# Allegro board OPT8241-CDK-EVM SB REV2P0V1.brd (continued)
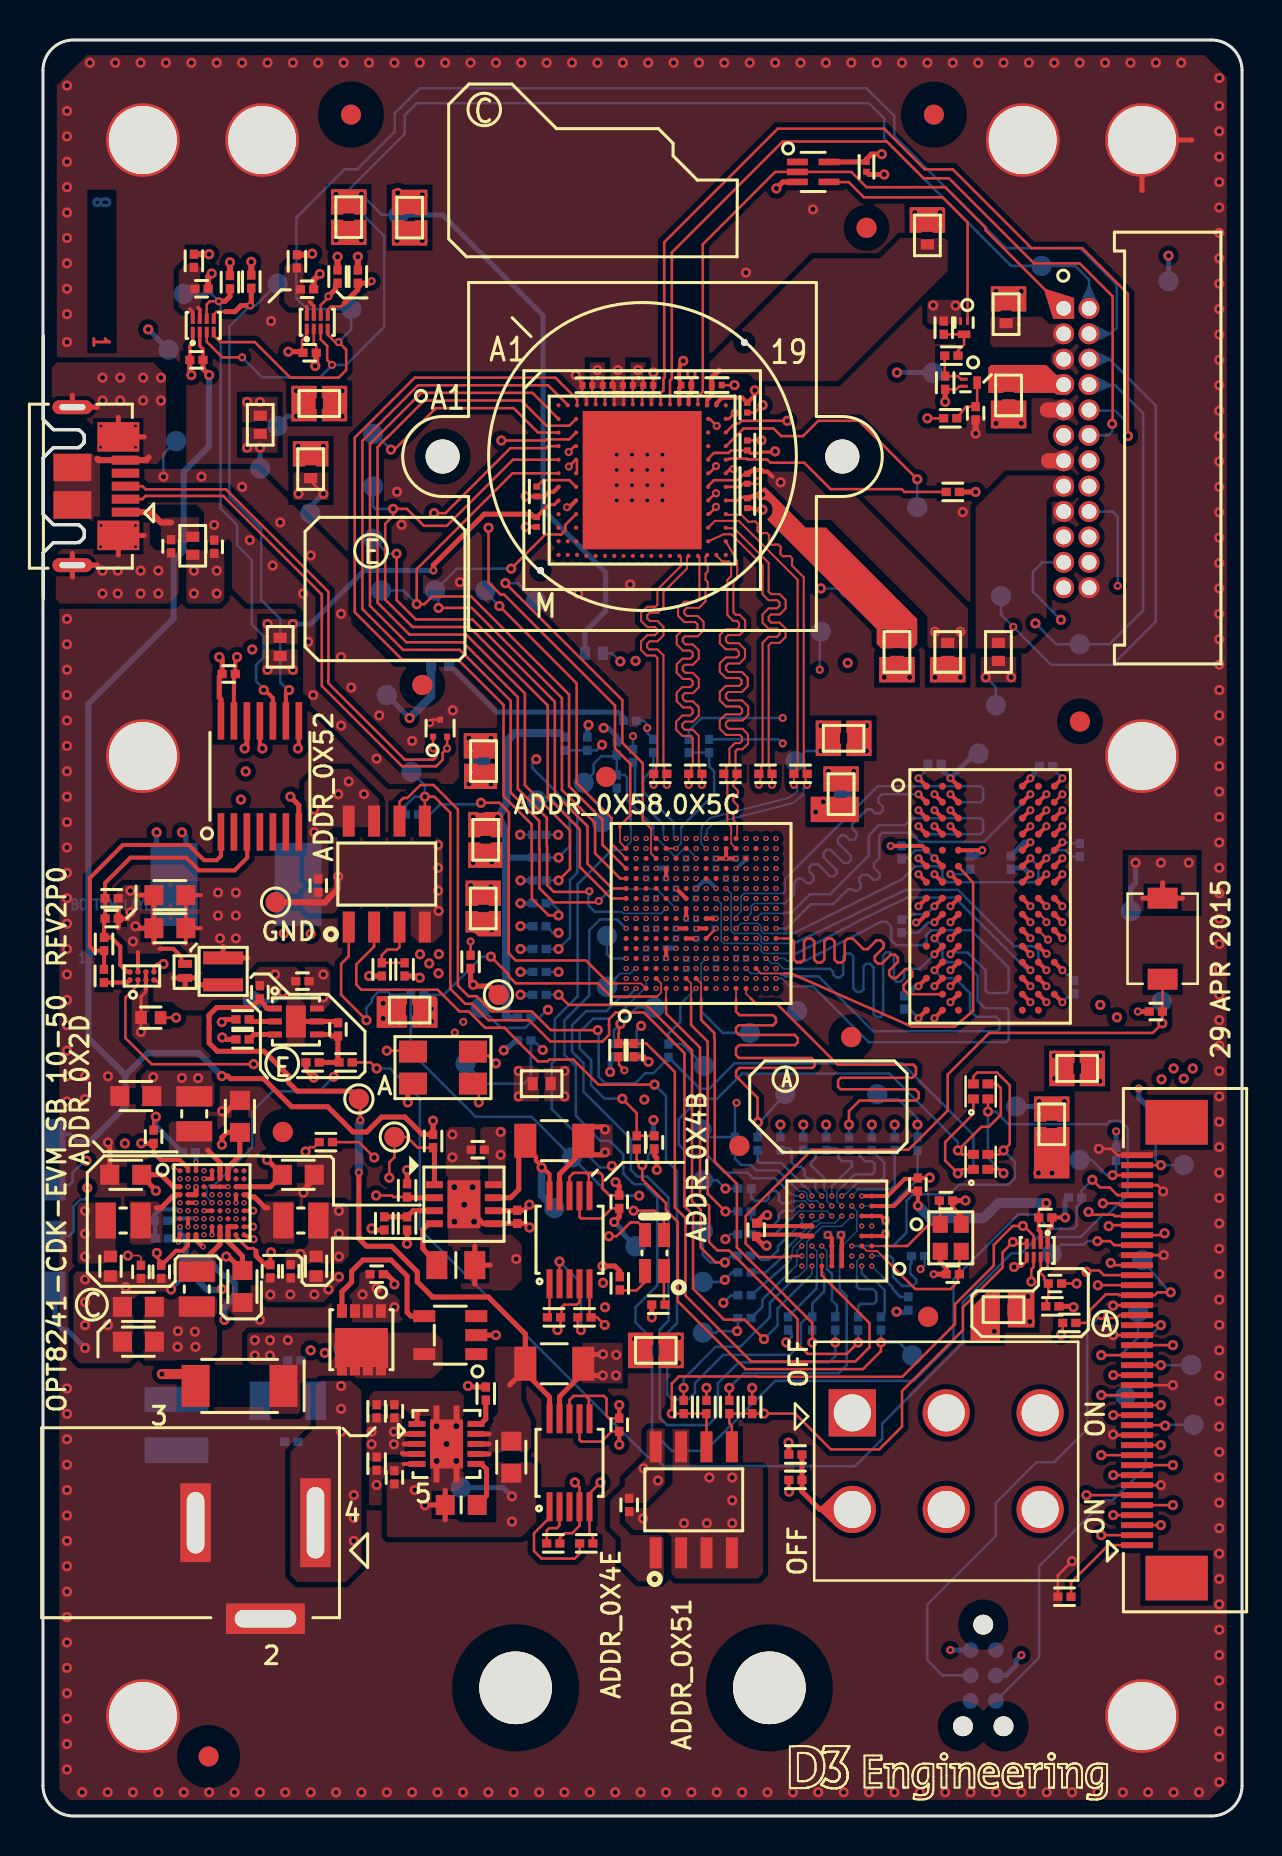
[diagram p0: board, top side]
## Nets (continued)
Pads without a net: J6 1 6; SW2 3 6; U3 A1 A19 C17 D17 J1 K1 K3 L1 L3 M1 M2 M3 M4 M5 M6 M7 M8 M9 M10 M11 M12 M13 M19; U4 4; U7 A2 A8 E2 E8 L1 R3 R7 R8; U8 A5 A6 B4 B5 B6 B7 B10 B11 B12 B13 C3 C6 C11 C14 D3 D5 D6 D11 D12 D15 D16 E6 E7 E8 E10 E11 F3 F8 F14 G1 G11 G15 J1 J12 J13 J14 K12 L13 L16 M6 N14 P15; U11 A8 A9 B8 B9 C4 D4 F6 G7; U14 3; U17 3; U19 1 3; U21 2 4 5 6; U24 1

## Via types
v1: diameter 0.508, hole 0.254, TOP to BOTTOM, 718 vias
v2: diameter 0.406, hole 0.203, TOP to BOTTOM, 145 vias
v3: diameter 0.254, hole 0.152, TOP to BOTTOM, 227 vias
v4: diameter 0.254, hole 0.153, TOP to BOTTOM, 35 vias
v5: diameter 0.406, hole 0.204, TOP to BOTTOM, 4 vias
v6: diameter 0.305, hole 0.153, TOP to BOTTOM, 8 vias
v7: diameter 0.61, hole 0.305, TOP to BOTTOM, 10 vias

## Routing (per net, layer and track width the routed paths; a pad name or vN(x,y) marks a point on that pad's centre or on a via; arc(x,y) is an arc through that point)
GND: length 158.1
  TOP w0.127: U3.A7 28.59,71.46 C5.2 28.5,71.92 ; J2.25 53.58,25.55 v1(53.55,25.52) ; J2.37 55.77,31.55 56.03,31.29 56.03,31.25 v1(56.06,31.23) ; J2.40 53.77,33.05 53.45,33.36 v1(52.84,33.36) ; v1(4.9,39.21) C20.2 ; v1(26.66,72.05) 26.66,72 26.99,71.66 C1.2 26.98,71.54 26.98,71.16 27.12,71.02 27.12,70.98 27.19,70.91 U3.A4 ; 29.02,71.92 C2.2 29.02,71.11 29.05,71.08 U3.A8 ; v1(51.49,12.74) 50.78,12.03 R46.2 ; J2.17 v1(56.54,21.55) ; J2.30 v1(56.08,28.05) ; J2.12 53.61,19.05 53.58,19.08 v1(53.55,19.08) ; v1(30.55,72.18) 30.53,72.17 C6.2 30.54,71.54 30.54,71.04 30.45,70.94 U3.A11 ; J2.22 v1(53.56,24.05) ; J2.7 v1(55.94,16.55)
  TOP w0.152: C20.2 4.9,40.97 5.15,41.22
  TOP w0.203: v3(8.06,31.87) U11.B5 U11.A5 ; U11.H5 v3(8.46,29.07) ; C19.1 7.15,45.11 ; C19.1 7.9,44.4 ; C19.1 7.15,43.63 ; 7.15,45.28 C16.1 7.9,46.05 ; 5.15,41.33 U9.C1 U9.C2
  TOP w0.254: C31.2 13.58,31.85 13.23,31.5 13.23,31.48 13.03,31.29 v1(13.03,31.17) ; U4.10 1.47,63.14 ; U4.10 1.47,61.96 ; U4.10 2.71,62.55 ; 2.71,70.45 U4.7 1.47,71.04 ; v1(8.97,35.24) 9.2,35.24 9.4,35.44 9.42,35.44 9.77,35.78 C26.2 ; C30.2 3.34,33.47 3.26,33.55 v1(3.26,33.68) ; 3.77,69.94 U4.6 5.06,68.96 ; 55.01,81.29 55,81.29 MH2.1 57.47,83.81 57.47,83.81 ; 5.06,64.04 U4.11 3.77,63.06 ; 10.26,42.91 L1.2 9.02,43.48
  TOP w0.305: C7.2 v1(46.67,69.13) ; 2.73,67.86 2.79,67.8 U4.5 5.15,67.8 5.29,67.94
  TOP w0.762: J1.9 50.26,70.31 ; J1.13 50.32,67.77
  PWR1 w0.254: 1.47,61.96 U4.10 ; U4.10 2.71,62.55 ; U4.10 1.47,63.14 ; 2.71,70.45 U4.7 1.47,71.04
  PWR2 w0.254: 1.47,61.96 U4.10 ; U4.10 2.71,62.55 ; U4.10 1.47,63.14 ; 1.47,71.04 U4.7 2.71,70.45
  SIG2 w0.254: 52.51,5 MH6.1 54.92,7.41 ; 5.01,7.28 MH5.1 7.3,5
  GND2 w0.127: 8.07,52.99 8.06,53
  GND2 w0.254: 1.47,61.96 U4.10 2.71,62.55 ; 1.47,71.04 U4.7 2.71,70.45 ; 50.32,67.77 J1.13 ; J1.17 50.26,65.23 50.22,65.19 ; 50.22,72.81 50.26,72.85 J1.5 ; 50.32,70.31 J1.9
  GND2 w0.381: MH2.1 57.49,83.81 57.49,83.81 ; MH2.1 55,81.37 55,81.37 ; MH2.1 55,86.09 ; MH2.1 52.58,83.81 ; MH6.1 57.3,5 57.31,5.01 ; MH6.1 52.64,5 ; MH6.1 55,7.32 54.99,7.33 ; MH6.1 55,2.68 54.99,2.67 ; MH3.1 2.59,53 2.59,53 ; MH3.1 5,55.3 4.92,55.37 ; MH3.1 5,50.45 4.99,50.44 ; MH3.1 8.06,53 ; MH8.1 49.02,86.09 ; MH8.1 51.38,83.81 51.38,83.81 ; MH8.1 49.02,81.76 49.02,81.52 49.01,81.51 ; MH8.1 46.7,83.81 46.68,83.83 ; MH4.1 57.35,53 57.36,53.01 ; MH4.1 55,55.41 54.99,55.42 ; MH4.1 52.69,53 52.67,52.98 ; MH4.1 55,50.18 ; 7.33,83.83 7.31,83.81 MH1.1 ; 13.26,83.79 13.24,83.81 MH7.1 ; 2.64,5.02 2.66,5 MH5.1 ; 2.7,83.8 2.7,83.81 MH1.1 ; 5.01,2.62 5,2.64 MH5.1 ; MH5.1 5,7.65 ; MH5.1 7.3,5 ; 5,86.17 5,86.17 MH1.1 ; MH1.1 5,81.46 4.98,81.44 ; 10.96,86.1 10.97,86.09 MH7.1 ; 10.96,81.46 10.97,81.46 MH7.1 ; 8.63,83.81 MH7.1
  BOTTOM w0.254: 2.71,70.45 U4.7 1.47,71.04 ; 1.47,61.96 U4.10 ; U4.10 1.47,63.14 ; U4.10 2.71,62.55
  vias: v1(1.2,86.53) v1(1.2,85.26) v1(1.2,83.99) v1(1.2,82.72) v1(1.2,81.45) v1(1.2,80.18) v1(1.2,78.91) v1(1.2,77.64) v1(1.2,76.37) v1(1.2,75.1) v1(1.2,73.7) v1(1.2,59.86) v1(1.2,58.59) v1(1.2,57.32) v1(1.2,56.05) v1(1.2,54.78) v1(1.2,53.51) v1(1.2,52.24) v1(1.2,50.97) v1(1.2,49.7) v1(1.2,48.43) v1(1.2,47.16) v1(1.2,45.89) v1(1.2,44.62) v1(1.2,43.35) v1(1.2,42.08) v1(1.2,40.81) v1(1.2,39.54) v1(1.2,38.27) v1(1.2,37) v1(1.2,35.73) v1(1.2,21.38) v1(1.2,20.11) v1(1.2,18.84) v1(1.2,17.57) v1(1.2,16.3) v1(1.2,15.03) v1(1.2,13.76) v1(1.2,12.49) v1(1.2,11.22) v1(1.2,9.95) v1(1.2,8.68) v1(1.2,7.41) v1(1.2,6.14) v1(1.2,4.87) v1(1.2,3.6) v1(1.2,2.33) v1(1.96,1.19) v1(2.11,36.99) v1(2.11,35.85) v1(2.35,87.67) v1(2.98,71.93) v1(2.98,70.78) v1(2.98,62.27) v1(2.98,61.13) v1(3.25,36.99) v1(3.23,1.19) v1(3.62,87.67) v1(3.74,62.27) v1(3.74,61.13) v1(3.87,71.93) v1(3.87,70.78) v1(4.5,1.19) v1(4.89,87.67) v1(4.89,62.27) v1(4.89,61.13) v1(5.01,71.93) v1(5.01,70.78) v1(5.77,62.27) v1(5.77,61.13) v1(5.77,1.19) v1(5.9,71.93) v1(5.9,70.78) v1(6.16,87.67) v1(7.04,1.19) v1(7.43,87.67) v1(8.31,1.19) v1(8.7,87.67) v1(8.76,46.17) v1(8.76,45.03) v1(8.86,43.89) v1(9.58,1.19) v1(9.65,46.17) v1(9.65,45.03) v1(9.65,43.89) v1(9.97,87.67) v1(10.85,24.81) v1(10.85,1.19) v1(11.24,87.67) v1(11.41,74.75) v1(12.12,1.19) v1(12.51,87.67) v1(13.39,1.19) v1(13.78,87.67) v1(14.66,1.19) v1(15.05,87.67) v1(15.93,1.19) v1(16.32,87.67) v1(17.2,1.19) v1(17.59,87.67) v1(17.71,66.22) v1(17.94,64.57) v1(18.47,1.19) v1(18.86,87.67) v1(19.74,1.19) v1(20.13,87.67) v1(20.86,61.7) v1(21.01,1.19) v1(21.4,87.67) v1(22.28,1.19) v1(22.67,87.67) v1(23.55,1.19) v1(23.94,87.67) v1(24.82,1.19) v1(25.21,87.67) v1(26.09,1.19) v1(26.48,87.67) v1(26.78,61.11) v1(27.36,1.19) v1(27.75,87.67) v1(28.63,1.19) v1(28.76,72.31) v1(29.02,87.67) v1(29.39,61.58) v1(29.9,1.19) v1(30.29,87.67) v1(31.17,1.19) v1(31.56,87.67) v1(32.44,1.19) v1(32.83,87.67) v1(33.71,1.19) v1(34.1,87.67) v1(34.98,1.19) v1(35.18,77.18) v1(35.37,87.67) v1(36.25,1.19) v1(36.64,87.67) v1(37.52,1.19) v1(37.91,87.67) v1(38.53,80.34) v1(38.79,1.19) v1(39.18,87.67) v1(40.06,1.19) v1(40.45,87.67) v1(41.33,1.19) v1(41.72,87.67) v1(42.6,1.19) v1(42.99,87.67) v1(43.87,1.19) v1(44.26,87.67) v1(45.14,1.19) v1(45.53,87.67) v1(46.02,65.2) v1(46.41,1.19) v1(46.8,87.67) v1(47.68,1.19) v1(48.07,87.67) v1(48.95,1.19) v1(49.34,87.67) v1(50.22,1.19) v1(50.61,87.67) v1(51.49,1.19) v1(51.88,87.67) v1(52.76,1.19) v1(53.15,87.67) v1(54.03,1.19) v1(54.42,87.67) v1(55.3,1.19) v1(55.69,87.67) v1(56.57,1.19) v1(56.96,87.67) v1(57.84,1.19) v1(58.86,86.91) v1(58.86,85.51) v1(58.86,84.24) v1(58.86,82.97) v1(58.86,81.7) v1(58.86,80.43) v1(58.86,79.16) v1(58.86,77.89) v1(58.86,76.62) v1(58.86,75.35) v1(58.86,74.08) v1(58.86,72.81) v1(58.86,71.54) v1(58.86,70.27) v1(58.86,69) v1(58.86,67.73) v1(58.86,66.46) v1(58.86,65.19) v1(58.86,63.92) v1(58.86,62.65) v1(58.86,61.38) v1(58.86,60.11) v1(58.86,58.84) v1(58.86,57.57) v1(58.86,56.3) v1(58.86,55.03) v1(58.86,53.76) v1(58.86,52.49) v1(58.86,51.22) v1(58.86,49.95) v1(58.86,48.68) v1(58.86,47.41) v1(58.86,46.14) v1(58.86,44.87) v1(58.86,43.6) v1(58.86,42.33) v1(58.86,41.06) v1(58.86,39.79) v1(58.86,38.52) v1(58.86,37.25) v1(58.86,35.98) v1(58.86,34.71) v1(58.86,33.44) v1(58.86,32.17) v1(58.86,30.9) v1(58.86,29.63) v1(58.86,28.36) v1(58.86,27.09) v1(58.86,25.82) v1(58.86,24.55) v1(58.86,23.28) v1(58.86,22.01) v1(58.86,20.74) v1(58.86,19.47) v1(58.86,18.2) v1(58.86,16.93) v1(58.86,15.66) v1(58.86,14.39) v1(58.86,13.12) v1(58.86,11.85) v1(58.86,10.58) v1(58.86,9.31) v1(58.86,8.04) v1(58.86,6.77) v1(58.86,5.5) v1(58.86,4.23) v1(58.86,2.96) v1(58.86,1.69) v2(28.71,68.07) v2(28.71,67.31) v2(28.71,66.55) v2(28.71,65.79) v2(29.47,68.07) v2(29.47,67.31) v2(29.47,66.55) v2(29.47,65.79) v2(30.24,68.07) v2(30.24,67.31) v2(30.24,66.55) v2(30.24,65.79) v2(31,68.07) v2(31,67.31) v2(31,66.55) v2(31,65.79) v3(6.86,30.67) v3(10.06,30.67) v6(2.9,69.51) v6(2.88,68.45) v6(2.9,64.53) v6(2.88,63.47) v6(4.63,69.51) v6(4.63,68.45) v6(4.63,64.53) v6(4.63,63.47)
GND_SIGNAL: length 168.4
  TOP w0.127: v2(33.68,66.14) 33.65,66.14 U3.H17 ; v1(36.01,70.55) 35.63,70.18 C8.2 ; U14.7 26.85,29.97 26.94,29.88 27.95,29.88 28.45,30.38 C34.2 ; C50.2 28.45,19.23 27.95,18.72 26.94,18.72 26.85,18.81 U17.7 ; 32.44,71.55 C3.2 ; U3.G19 34.88,66.46 35.04,66.62 C10.2 35.57,66.62 35.67,66.72 35.72,66.72 v2(35.74,66.74) ; v2(26.32,67.48) 26.66,67.82 U3.E3 26.72,67.78 26.72,67.18 U3.F3 ; U3.F17 33.33,67.14 33.68,67.49 v2(33.68,67.5) ; C92.2 12.96,73.22 12.96,73.8 13.2,74.04 U23.1 ; C45.2 v1(51.73,26.63) ; v1(34.6,71.55) C4.2 ; U5.3 19.49,54.82 19.36,54.7 v2(19.36,54.65) ; C9.2 35.94,68.78 v1(35.95,68.79)
  TOP w0.152: v1(5.65,34.97) 5.54,34.86 C27.2
  TOP w0.178: U22.1 7.5,73.65 7.35,73.5 C90.2
  TOP w0.203: U11.C5 U11.C6 v3(9.26,31.47) ; U7.J7 v2(49.41,44.69) ; v1(32.44,72.1) 32.44,71.26 32.44,71.26 32.44,71.15 32.31,71.03 U3.A15 ; v3(9.66,30.67) U11.D8 ; U7.A3 v2(45.41,51.89) ; v3(40.97,31) U13.1H 42.27,31 43.13,31.86 43.74,31.86 C32.2 44.13,31.9 44.14,31.92 v1(44.37,31.92) ; U7.B2 v2(44.61,51.09) ; U21.11 10.85,53.51 v1(10.98,53.38) ; U11.F5 v3(8.06,30.27) ; v1(24.16,64.46) C13.2 ; U7.H8 v2(50.21,45.49) ; U8.E5 v4(31.18,42.88) ; v1(51.15,29.93) C36.2 50.49,29.46 50.27,29.25 U15.1 ; v1(9.71,57.96) 9.62,57.87 C95.2 9.55,57.04 U21.13 ; U11.E2 v3(7.66,30.67) ; C12.2 35.53,65.39 35.62,65.32 v1(36,65.32) ; U7.A7 v2(49.41,51.89) ; U7.D2 v2(44.61,49.49) ; U7.E7 v2(49.41,48.69) ; C37.2 35.77,29.06 36.05,29.06 36.06,29.07 37.9,29.07 U13.8D ; U7.F8 v2(50.21,47.89) ; U7.H2 v2(44.61,45.49) ; U3.G1 25.55,66.21 25.33,66.21 25.11,65.99 C11.2 v1(24.16,65.99) ; U7.D8 v2(50.21,49.49) ; U7.E3 v2(47,48.29) ; U7.P9 v2(51.01,40.69) ; U8.J8 v4(33.68,44.88) ; v1(12.76,53.38) 12.8,53.43 U21.8 ; U7.F2 v2(44.61,47.89) ; U13.4A U13.4B U13.4C 39.97,28.94 39.93,28.98 v5(39.93,29.06) ; U7.N1 v2(43.81,41.49) ; U7.J3 v2(45.41,44.69) ; U3.H3 26.34,65.45 v2(26.22,65.45) ; U8.E13 v4(31.18,46.88) ; U13.2F U13.1F 41.94,30 42.17,29.77 v5(42.17,29.77) ; U8.J7 v4(32.68,44.38) ; U7.B8 v2(50.21,51.09) ; C50.2 v1(28.84,18.57)
  TOP w0.254: C88.2 17.2,27.09 17.59,26.71 v1(17.59,26.59) ; U21.7 12.8,50.54 v1(12.38,50.97) ; Y1.4 45.95,29.97 45.51,30.41 C33.1 v1(46.16,30.78) ; C24.2 14.69,39.73 U10.5 U10.7 ; v1(36.21,28.52) 36.06,28.52 35.69,28.89 C37.2 ; U16.1 18.72,20.08 18.77,20.13 ; C34.2 28.84,29.95 v1(28.59,29.71) ; U19.2 v1(22.67,24.05) ; SW1.1 57.02,45.89 ; SW1.1 55.03,45.89 ; SW1.1 56.03,46.66 ; v1(8.95,39.7) 8.98,39.7 9.12,39.83 R14.1 ; v1(36.7,81.39) 37.02,81.71 U24.3 ; 21.61,26.6 R26.1 ; R26.1 21.61,28.49 ; R26.1 22.38,27.55 ; v1(16.44,29.38) 16.52,29.3 R24.2 ; R23.2 v1(18.22,32.3) ; v1(24.35,29.43) 24.15,29.63 C35.2 22.55,29.63 U12.5 22.04,29.62 U12.9 20.74,30.92 ; C94.2 41.34,82.09 v1(42.1,82.09) ; C90.2 7.35,72.13 v1(7.43,72.05) ; 12.96,73.22 v1(12.28,73.22) ; C28.2 30.6,33.03 30.71,32.91 v1(30.71,32.31) ; Y1.2 44.9,27.72 45.2,27.42 C44.1 44.57,27.09 v2(44.57,27.09) ; 19.41,15.56 R43.1 ; R43.1 20.13,14.81 ; R43.1 20.13,16.3 ; R12.1 v1(16.32,42) ; U13.7D U13.8D ; C23.2 v2(54.79,40.23)
  TOP w0.305: v1(8.44,77.13) 8.26,76.95 C89.2 ; v1(13.85,77.11) 13.55,76.8 C91.2 ; v1(14.77,46.97) 14.74,46.94 14.74,46.36 14.27,45.88 14.27,45.85 14.1,45.69 13.32,45.69 13.31,45.69 TP40.1
  TOP w0.508: v1(5.95,22.1) 7.13,22.1 7.64,21.59 D4.2
  GND1 w0.254: 39.07,20.16 SW2.1 ; SW2.1 40.5,18.74 ; SW2.1 41.92,20.16 ; SW2.1 40.5,21.58
  GND1 w0.762: 1.84,34.46 1.2,34.46
  SIG1 w0.082: v3(32.68,48.38) 32.53,48.38 32.52,48.39 ; v3(32.68,48.88) 32.54,48.88 32.52,48.9
  SIG1 w0.254: SW2.1 41.92,20.16 ; SW2.1 40.5,21.58 ; SW2.1 39.07,20.16 ; SW2.1 40.5,18.74
  PWR1 w0.254: 39.07,20.16 SW2.1 ; SW2.1 41.92,20.16 ; SW2.1 40.5,21.58
  PWR2 w0.254: SW2.1 41.92,20.16 ; SW2.1 40.5,18.74 ; SW2.1 40.5,21.58 ; SW2.1 39.07,20.16
  BOTTOM w0.127: v2(50.21,47.89) 50.61,48.29 51.17,48.29 51.49,47.97 C56.2 ; R52.2 v1(23.88,49.07) ; v2(51.01,40.69) 51.25,40.94 51.42,40.94 C80.2 ; C72.2 43.61,45.1 44.21,45.1 v2(44.61,45.49) ; v2(44.61,47.89) 44.21,48.29 43.64,48.29 43.27,47.92 43.04,47.92 C57.2 ; v1(6.03,66.97) 6.03,68.12 TP45.1
  BOTTOM w0.152: C58.2 35.16,47.84 35.08,47.76 35.08,47.7 35.04,47.65 34.98,47.65 34.88,47.56 34.87,47.56 34.7,47.38 v3(34.68,47.38)
  BOTTOM w0.203: v3(6.86,30.27) 6.76,30.27 6.68,30.34 5.87,30.34 5.57,30.04 C82.2 5.62,29.3 C85.2 ; v1(6.41,26.33) 7.04,26.97 R98.2
  BOTTOM w0.254: R107.2 43.19,25.18 42.76,25.18 42.72,25.22 v1(42.71,25.22) ; C59.2 46.71,48 v2(47,48.29) ; v1(6.96,49.19) 7.15,49 7.15,47.12 6.61,46.58 C96.2 5.69,47.46 v1(5.69,49.19) ; v1(42.73,72.18) 42.75,72.2 TP39.1 ; v2(48.95,8.04) 48.7,7.79 48.7,7.54 48.19,7.03 J6.3 ; TP44.1 23.03,16.42 v1(23.47,15.99) ; C54.2 44.95,52.36 v2(45.41,51.89) 46.64,53.12 TP41.1 ; v1(2.11,23.4) 1.21,24.3 1,24.3 0.61,24.69 J4.4 ; v1(27.3,54.56) 27.24,54.5 R48.1 ; R62.2 23.65,38.78 23.32,38.45 23.23,38.45 23.07,38.29 v1(23.06,38.29) ; v1(51.15,29.93) 51.15,30.76 R108.2 ; v1(12,41.19) 11.56,40.75 TP38.1 ; R64.1 28.38,37.78 v1(28.38,37.2) ; v1(54.67,47.67) 54.67,46.65 54.44,46.42 TP42.1 ; C81.2 43.19,41.02 43.67,41.49 v2(43.81,41.49) ; TP46.1 v1(56.32,78.02) ; TP43.1 29.02,29.13 29.02,29.28 v1(28.59,29.71) ; R76.2 5.65,34.51 v1(5.65,34.97) ; C60.2 49.12,48.69 v2(49.41,48.69) ; v2(49.41,51.89) 49.59,52.07 49.59,52.21 C55.2
  BOTTOM w0.305: C93.2 7.81,26.71 8.21,26.31 8.91,26.31 v1(8.95,26.35)
  vias: v1(2.11,26.83) v1(2.11,25.69) v1(2.11,24.55) v1(3.25,24.55) v1(4.14,26.45) v1(7.93,66.97) v1(8.57,64.56) v1(9.97,66.46) v1(10.35,63.8) v1(11.38,26.07) v1(11.49,62.53) v1(11.62,42.08) v1(11.87,64.69) v1(12.38,26.08) v1(13.01,61.13) v1(13.27,58.72) v1(13.39,63.04) v1(13.39,23.28) v1(13.52,56.05) v1(13.58,26.08) v1(14.1,23.16) v1(14.28,26.33) v1(14.81,26.96) v1(14.92,60.11) v1(14.92,57.96) v1(14.92,54.53) v1(15.43,56.43) v1(16.7,52.88) v1(16.82,55.03) v1(18.47,53.76) v1(18.6,16.3) v1(19.11,15.54) v1(19.77,48.56) v1(19.77,47.41) v1(19.77,46.27) v1(19.8,45.26) v1(20.51,55.29) v1(20.49,34.08) v1(20.49,32.94) v1(23.47,14.72) v1(23.68,27.86) v1(30.03,14.88) v1(32.08,14.64) v1(33.22,14.64) v1(33.35,16.93) v1(34.49,16.93) v1(34.49,15.78) v1(34.49,14.64) v1(40.27,57.66) v1(55.94,47.67) v1(57.34,47.67) v3(7.26,31.47) v3(7.66,30.27) v3(8.06,29.87) v3(8.06,29.47) v3(9.66,29.87) v3(29.18,45.38) v3(29.18,44.88) v3(29.68,48.38) v3(29.68,45.38) v3(29.68,44.88) v3(29.68,41.88) v3(31.18,41.88) v3(32.68,45.38) v3(33.18,46.38) v3(33.18,45.88) v3(33.18,45.38) v3(34.68,43.38) v3(34.68,41.88) v3(35.18,45.88) v3(35.18,44.38) v3(35.68,46.88) v3(35.68,43.38) v3(36.18,48.38) v3(36.18,45.38) v3(36.18,44.88) v3(36.18,41.88) v3(36.68,45.38) v3(36.68,44.88) v4(30.18,46.88) v4(30.18,43.38) v4(30.68,45.88) v4(30.68,44.38) v4(31.67,45.88) v4(31.68,43.88) v4(32.18,47.38) v4(32.18,42.88) v4(32.68,45.88) v4(32.68,44.88) v4(33.68,47.38) v4(33.68,42.88) v4(34.68,46.88) v4(34.68,42.88) v7(19.69,19.48) v7(19.7,17.75) v7(20.19,18.6) v7(20.58,31.45) v7(20.59,29.72) v7(20.68,19.49) v7(20.68,17.75) v7(21.08,30.57) v7(21.5,31.45) v7(21.57,29.72)
VCC_0V9: length 2.4
  TOP w0.203: U11.A3 v3(7.66,32.71)
  BOTTOM w0.127: v1(38.92,53.26) 38.16,53.26 TP63.1
  BOTTOM w0.254: R76.1 7.66,33.16 v3(7.66,32.71)
  vias: v1(38.92,54.53)
VCC_1V2: length 1.5
  BOTTOM w0.127: v1(21.32,51.61) 21.32,52.29 TP61.1
  vias: v1(5.51,36.94) v1(6.95,36.91) v1(7.76,36.9) v1(17.03,40.64) v1(17.03,39.88) v1(22.41,51.61) v3(8.06,32.27)
VCC_1V5: length 1.1
  TOP w0.254: v1(6.74,23.46) 6.73,23.47
  BOTTOM w0.254: v1(10.87,68.42) 10.87,67.38 TP56.1
  vias: v1(6.75,24.25) v1(7.6,24.22) v1(7.63,23.46) v1(10.22,68.43) v3(8.06,29.07)
VCC_1V8: length 1.6
  BOTTOM w0.127: v1(47.18,56.94) 47.68,56.43 TP58.1
  vias: v1(11.24,57.32) v1(12.51,57.32) v1(12.89,28.11) v1(14.81,30.26) v1(14.81,29.12) v1(14.81,27.97) v1(23.81,37.25) v1(23.81,35.98) v1(29.6,23.86) v1(29.67,22.66) v1(42.1,56.94) v1(43.37,56.94) v1(44.64,56.94) v1(45.91,56.94) v1(48.45,56.94) v1(52.89,38.02) v1(52.89,36.75) v3(9.26,31.07) v3(9.26,30.27)
VCC_2V5: length 2
  TOP w0.203: U11.F9 v2(10.52,30.27)
  BOTTOM w0.127: TP62.1 39.3,51.73 v1(39.3,52.24)
  vias: v1(21.4,46.53) v1(21.52,47.67) v1(22.41,46.46) v1(22.46,47.71) v1(40.57,52.24)
VCC_3V3: length 34.4
  TOP w0.152: v1(5.7,28.15) 5.7,27.93 5.89,27.74 5.92,27.67
  TOP w0.203: U11.J2 7.26,28.53 6.99,28.26 6.65,28.26 6.06,27.67 5.92,27.67 C43.1
  TOP w0.254: v1(15.93,81.09) v1(14.66,81.09)
  BOTTOM w0.127: TP59.1 16.97,80.06 v1(15.93,81.09)
  BOTTOM w0.254: TP59.1 20,80.06 25.03,75.03 25.03,65.32 28.16,62.19 28.16,60.26 27.12,59.21 B27.1
  vias: v1(2.11,30.26) v1(2.11,29.12) v1(2.11,27.97) v1(4.1,33.63) v1(47.68,76.24) v1(48.95,76.24) v3(7.26,30.27) v3(9.66,30.27)
VCC_5V0_ILLUM: length 5.7
  TOP w0.254: v1(28.01,22.03) 28.01,22.03 27.53,22.03 27.21,22.34 27.04,22.34 ; 27.04,22.34 27.04,22.16 25.85,20.98 U17.9 ; 27.04,22.34 R33.1 27.04,22.96 27.16,23.09 v1(28.03,23.09)
  vias: v1(18.87,43.09) v1(19.33,42.63) v1(19.81,43.1) v1(19.8,42.14) v1(28.69,23.06) v1(28.68,22.03)
VCC_5V0_MAIN: length 59.3
  TOP w0.127: C34.1 28.33,31.04 28,31.37 28,32.03 27.87,32.16 27.18,32.16 ; 27.18,32.16 27.31,32.03 27.31,31.05 U14.6 ; 27.18,32.16 26.55,32.16 26.35,31.96 U14.8 ; U17.8 26.35,20.81 26.55,21.01 27.18,21.01 ; U17.6 27.31,19.9 27.31,20.85 27.18,20.98 27.18,21.01 ; 27.18,21.01 28.07,21.01 28.2,20.88 28.2,20.02 28.33,19.89 C50.1 ; v1(6.66,39.92) C20.1
  TOP w0.152: U9.D2 5.55,42.44 5.71,42.6 v1(6.03,42.6) ; U11.J8 9.66,28.97 10.25,28.38 10.53,28.38 10.67,28.25
  TOP w0.203: U11.G2 v3(7.26,29.47) ; C50.1 v1(28.84,20.55) ; C40.1 11.38,28.15 v1(11.41,28.18) ; U11.A2 7.26,32.4 6.85,32.81 5.89,32.81 5.54,33.16 C27.1
  TOP w0.254: v1(28.13,33.19) 28,33.06 27.24,33.06 27.04,33.26 27.04,33.28 ; v1(18.25,35.69) 18.25,36.36 D2.2 ; U14.9 25.85,32.1 27.04,33.28 ; v1(28.13,34.33) 28,34.46 27.24,34.46 27.04,34.26 R19.1 27.04,33.28 ; U11.C8 U11.C9 11.38,31.47 C31.1 11.23,32.81 v1(11.21,32.81) ; v1(9.17,27.97) 9.28,27.97 C46.1 9.98,28 9.26,28.72 U11.J7 U11.H7 U11.H8 ; v1(5.65,31.26) 5.65,31.29 4.94,32 C30.1 4.94,32.07 5.92,32.07 6.52,31.47 U11.C1 ; U11.B7 U11.A7 9.26,32.44 9.85,33.03 9.85,34.18 C26.1 9.21,34.18 8.95,33.93 v1(8.95,33.57) ; 10.67,28.25 10.67,28.01 11.11,27.57 C40.1 ; C34.1 28.84,31.51 v1(28.65,31.7) ; C27.1 v1(4.92,33.64)
  TOP w0.305: R96.2 v1(14.74,77.97) ; R95.1 13.42,78.07 ; R97.2 v1(15.76,77.97)
  TOP w0.381: 13.42,78.07 v1(13.47,78.12)
  SIG1 w0.254: v1(18.25,35.69) 17.96,35.98 14.38,35.98 v1(11.21,32.81)
  BOTTOM w0.254: v1(13.4,44.11) 13.4,44.18 13.46,44.25 13.46,45.94 12.81,46.58 C96.1 12.76,46.51 12.09,45.83 12.09,44.22 12.05,44.18 v1(12.05,44.13)
  vias: v3(8.86,31.07)
VCC_5V0_MINUS: length 9.2
  TOP w0.203: 4.75,43.2 U9.B2 ; 5.83,43.37 6.53,43.37 6.92,42.97 6.92,42.7 6.93,42.7 D1.A
  TOP w0.254: 3.77,44.42 C18.1 ; C18.1 3.77,45.33 ; C18.1 4.24,44.87 ; 4.83,46.05 C16.2 5.55,45.3 ; 4.83,44.4 C19.2 ; C19.2 5.55,43.65 ; C19.2 5.55,45.14
  BOTTOM w0.254: TP51.1 v1(5.27,74.34)
  vias: v1(4.38,46.27) v1(4.38,45.18) v1(4.5,43.73) v1(4.63,44.49) v1(17.75,81.17) v1(18.98,81.07) v1(47.68,69.64) v1(48.95,69.64)
VCC_5V0_MINUS_FSC: length 1.6
  TOP w0.127: U2.2 45.86,71.5 45.7,71.34 R3.1
  TOP w0.254: v1(45.14,70.71) R3.1
  vias: v1(17.71,78.78) v1(18.98,78.78)
VCC_AVDD_OUT_3V3: length 0.5
  TOP w0.203: U11.H9 v2(10.52,29.47)
  vias: v1(43.62,80.18) v1(44.89,80.18)
VCC_DC_JACK:
  vias: v1(10.6,23.79) v1(10.6,23.03) v1(11.36,23.79) v1(11.36,23.03) v1(12.25,23.79)
VCC_DC_JACK_5V_IN: length 5.1
  TOP w0.203: v1(37.34,16.22) 37.32,16.23 R42.1
  TOP w0.254: v1(21.27,21.51) 21.32,21.46 R34.2 ; U16.2 18.07,19.1 ; 17.99,18.14 18.03,18.1 U16.4 ; R25.2 v1(18.22,28.62) ; U16.3 18.07,18.6 ; v1(13.55,36.92) 13.16,37.31 R17.2
  vias: v1(15.99,26.08) v1(16.44,19.22) v1(16.44,18.59) v1(16.7,26.39) v1(17.59,25.44) v1(17.56,19.22) v1(17.56,18.59) v1(22.9,34.21) v1(22.9,33.06)
VCC_DDR2_0V9: length 2.4
  TOP w0.203: U7.J2 v2(44.61,44.69)
  BOTTOM w0.127: v2(44.61,44.69) 44.5,44.69 44.48,44.67 44.29,44.67 43.78,44.17 C72.1
  vias: v1(41.21,54.53) v1(41.21,53.26) v3(35.18,46.88) v3(35.68,46.38) v3(35.68,43.88) v3(36.68,42.38)
VCC_DDR2_1V8: length 17.6
  TOP w0.203: U7.A9 v2(51.01,51.89) ; U7.M9 v2(51.01,42.29) ; U7.C7 v2(49.41,50.29) ; v2(42.42,48.51) 43.99,48.51 U7.E1 ; U7.E9 v2(51.01,48.69) ; U7.G9 v2(51.01,47.09) ; U7.C3 v2(45.41,50.29) ; U7.G1 v2(43.81,47.09) ; U7.G3 v2(45.41,47.09) ; U7.A1 v2(43.81,51.89) ; U7.C1 v2(43.81,50.29) ; U7.R1 v2(43.81,39.89) ; U7.J9 v2(51.01,44.69) ; U7.G7 v2(49.41,47.09) ; v2(43.69,44.68) 43.79,44.68 U7.J1 ; U7.C9 v2(51.01,50.29)
  BOTTOM w0.127: C55.1 50.53,52.37 v2(51.01,51.89) ; C59.1 46.14,47.09 v2(45.41,47.09) ; C80.1 51.3,42.08 51.22,42.08 v2(51.01,42.29) ; v2(43.81,51.89) 44.29,52.37 C54.1 ; v2(42.42,48.51) C57.1 ; v2(51.01,48.69) 51.31,48.69 51.37,48.63 C56.1 ; v2(43.81,39.89) 43.35,40.36 C81.1
  BOTTOM w0.254: v2(49.41,47.09) 49.1,47.41 48.49,47.41 C60.1
  vias: v1(50.61,38.02) v1(50.63,36.88)
VCC_FX2_1V8: length 92.9
  TOP w0.127: C92.1 13.67,73.5 13.55,73.63 U23.2 ; C36.1 49.83,30.25 50.2,30.63 v1(50.2,30.65) ; R38.2 v1(35.49,21.41) ; R36.2 v1(33.2,21.41)
  TOP w0.178: C90.1 8.01,73.35 7.85,73.51 U22.2
  TOP w0.203: v1(43.78,30.52) C32.1 43.33,31.25 42.58,30.5 U13.1G ; v5(39.27,29.06) 39.35,28.98 39.39,28.98 39.47,28.9 U13.5C U13.5B U13.5A ; U15.2 49.92,29.2 49.83,29.3 C36.1 ; U13.8E 36.12,29.5 36.05,29.57 36,29.57 35.92,29.64 C37.1
  TOP w0.254: C37.1 35.69,29.66 36.07,30.05 v1(36.24,30.05) ; v1(8.31,72.05) 8.01,72.36 C90.1 ; v1(19.52,34.77) R20.2 18.98,34.08 18.11,34.95 16.94,34.95 16.2,34.21 15.51,34.21 14.25,35.47 12.44,35.47 11.04,36.87 9.38,36.87 9.25,37 v1(8.95,37) ; U13.7E U13.8E
  TOP w0.305: C92.1 13.67,72.56 v1(13.62,72.51)
  SIG2 w0.305: v1(8.31,72.05) 10.5,72.05 10.96,72.51 v1(13.62,72.51)
  BOTTOM w0.203: J4.1 1.35,34.08 1.74,33.7
  BOTTOM w0.254: v2(45.4,8.3) J6.2
  BOTTOM w0.305: v1(8.95,37) 7.81,38.14 5.23,38.14 4.12,37.04 ; 4.12,37.04 4.12,35.48 2.35,33.7 1.74,33.7 ; 4.12,37.04 3.92,37.24 3.92,37.26 3.53,37.66 3.51,37.66 2.27,38.89 2.27,55.61 6.54,59.88 6.54,62.78 7.04,63.29 7.04,67.23 8.31,68.5 v1(8.31,72.05)
  BOTTOM w0.508: v1(43.78,30.52) 44.41,29.9 47.06,29.9 47.81,30.65 50.2,30.65 v1(50.2,30.65)
  vias: v1(30.06,17.38) v1(30.77,16.77) v1(31.81,23.92) v1(31.81,22.65) v3(38.47,28)
VCC_FX2_AVCC_3V3: length 1.2
  TOP w0.203: U13.2D U13.1D 42.06,29 v5(42.17,29.11)
  vias: v1(49.81,32.15) v1(50.49,32.15)
VCC_I2C_3V3: length 10.1
  TOP w0.254: v1(51.56,25.45) 51.52,25.49 R29.1 ; v1(10.09,53.38) 10.2,53.5 U21.12 ; U21.14 8.9,55.83 8.82,55.91 8.82,56.96 C95.1 8.96,57.81 v1(8.82,57.96)
  TOP w0.305: R93.2 v1(10.42,77.72) ; R92.2 v1(9.36,77.69) ; v1(8.31,78.1) R94.1
  BOTTOM w0.254: R106.1 54.83,35.92 v2(54.83,36.38) ; R105.1 v2(53.7,34.24)
  vias: v1(49.28,25.98) v1(49.38,24.72) v1(55.97,36.84) v1(56.57,37.38) v1(57.08,36.87) v1(57.53,37.38)
VCC_ILLUM_5V: length 39.6
  TOP w0.203: TP55.1 15.88,35.79 v2(15.88,34.8)
  TOP w0.254: TP55.1 15.42,36.25 12.72,36.25 12.29,36.68 12.29,37.02 11.07,38.24 8.72,38.24 8.31,38.65 8.31,39.43 8.31,39.43 8.31,39.96 8.31,39.96 8.31,40.05 8.7,40.43 10.42,40.43 C22.1 11.21,40.38 U10.1 ; 24.14,22.34 R33.2 24.14,24.1 22.28,25.95 19.49,25.95 18.73,26.71 18.73,27.21 17.45,28.49 16.19,28.49 15.81,28.87 v2(15.81,32.17) ; 24.14,22.34 23.35,21.55 ; 24.14,22.34 24.14,22.16 25.35,20.95 U17.10 ; U16.7 22.32,18.1 ; U16.8 22.32,18.6 ; U16.9 22.32,19.1
  BOTTOM w0.406: v2(15.88,34.8) 15.88,34.68 15.81,34.61 v2(15.81,32.17)
VCC_ILLUM_FB: length 11.6
  BOTTOM w0.254: v3(6.86,29.47) 6.86,29.17 7.16,28.86 7.16,28.18 R98.1 ; v1(18.35,54.91) TP66.1
  BOTTOM w0.305: 8.57,27.48 9.04,27.01 9.22,27.01 9.61,26.62 9.61,26.07 9.58,26.05 9.58,25.95 9.08,25.45 v1(9.08,24.81)
  BOTTOM w0.381: R98.1 C93.1 8.24,27.81 8.57,27.48
  BOTTOM w0.406: v1(18.35,54.91) 19.42,55.98 B25.1
VCC_ILLUM_FB_REF: length 10
  BOTTOM w0.254: R103.1 29.04,54.94 28.79,55.19 27.51,55.19 27.5,55.2 26.98,55.2 26.97,55.19 22.7,55.19 B25.2
VCC_ILLUM_VREF: length 39.2
  TOP w0.254: TP71.1 22.36,41.5 21.6,41.5 v1(21.53,41.57) 21.4,41.7 R104.1 ; v3(8.01,28.46) 8.01,28.46 7.66,28.81 U11.J3
  SIG2 w0.254: v1(21.53,41.57) 21.53,41.03 20.08,39.59 20.08,39.47 20,39.39 20,36.24 18.86,35.1 18.86,24.56 16.69,22.4 14.65,22.4 13.84,21.58 9.61,21.58 8.68,22.51 8.68,24.04 8.01,24.71 v3(8.01,28.46)
VCC_LDO_1V8: length 2.1
  TOP w0.203: U11.J1 6.79,28.75 6.79,28.7 v3(6.78,28.69)
  BOTTOM w0.203: C85.1 6.6,28.88 6.78,28.7 v3(6.78,28.69)
  BOTTOM w0.254: v1(12.68,69.99) 12.23,69.99 TP65.1
  vias: v1(12.68,71.26)
VCC_LDO_3V3: length 1.8
  TOP w0.203: U11.J9 10.37,28.92 10.45,28.84 v2(10.54,28.84)
  BOTTOM w0.254: TP57.1 49.59,35.48 v1(49.84,35.73)
  vias: v1(47.61,24.24) v1(51.11,35.73)
VCC_LDOAO: length 3.5
  TOP w0.254: U11.D2 U11.D3 v3(7.66,31.47)
  SIG2 w0.081: 9.38,29.74 8.93,30.19 8.93,30.34 v3(9.26,30.67)
  BOTTOM w0.203: C82.1 6.54,29.76 6.66,29.88 7.64,29.88 v3(7.66,29.87)
VCC_MAIN_5V: length 9.6
  TOP w0.203: 23.81,33.44 23.81,33.44 R19.2 24.35,33.55 24.35,33.28 24.66,32.97 24.66,32.78 25.35,32.09 U14.10
  TOP w0.254: U12.7 23.4,30.92 23.81,31.33 23.81,33.44
  TOP w0.381: v1(24.95,32.43) 24.98,32.46
  BOTTOM w0.381: v1(24.95,32.43) 24.95,31.03 TP54.1
VCC_MIX: length 5.4
  TOP w0.127: 29.52,71.92 C2.1 29.52,71.54 U3.A9 ; U3.A10 29.98,71.49 C6.1 30.04,71.92 ; 27.49,71.92 C1.1 27.49,71.13 27.66,70.96 U3.A5 ; 28.01,71.92 C5.1 28.01,71.23 28.12,71.12 U3.A6